# Altium PCB HV_Module_6W.PCBDOC (part 2 of 4) (continued)
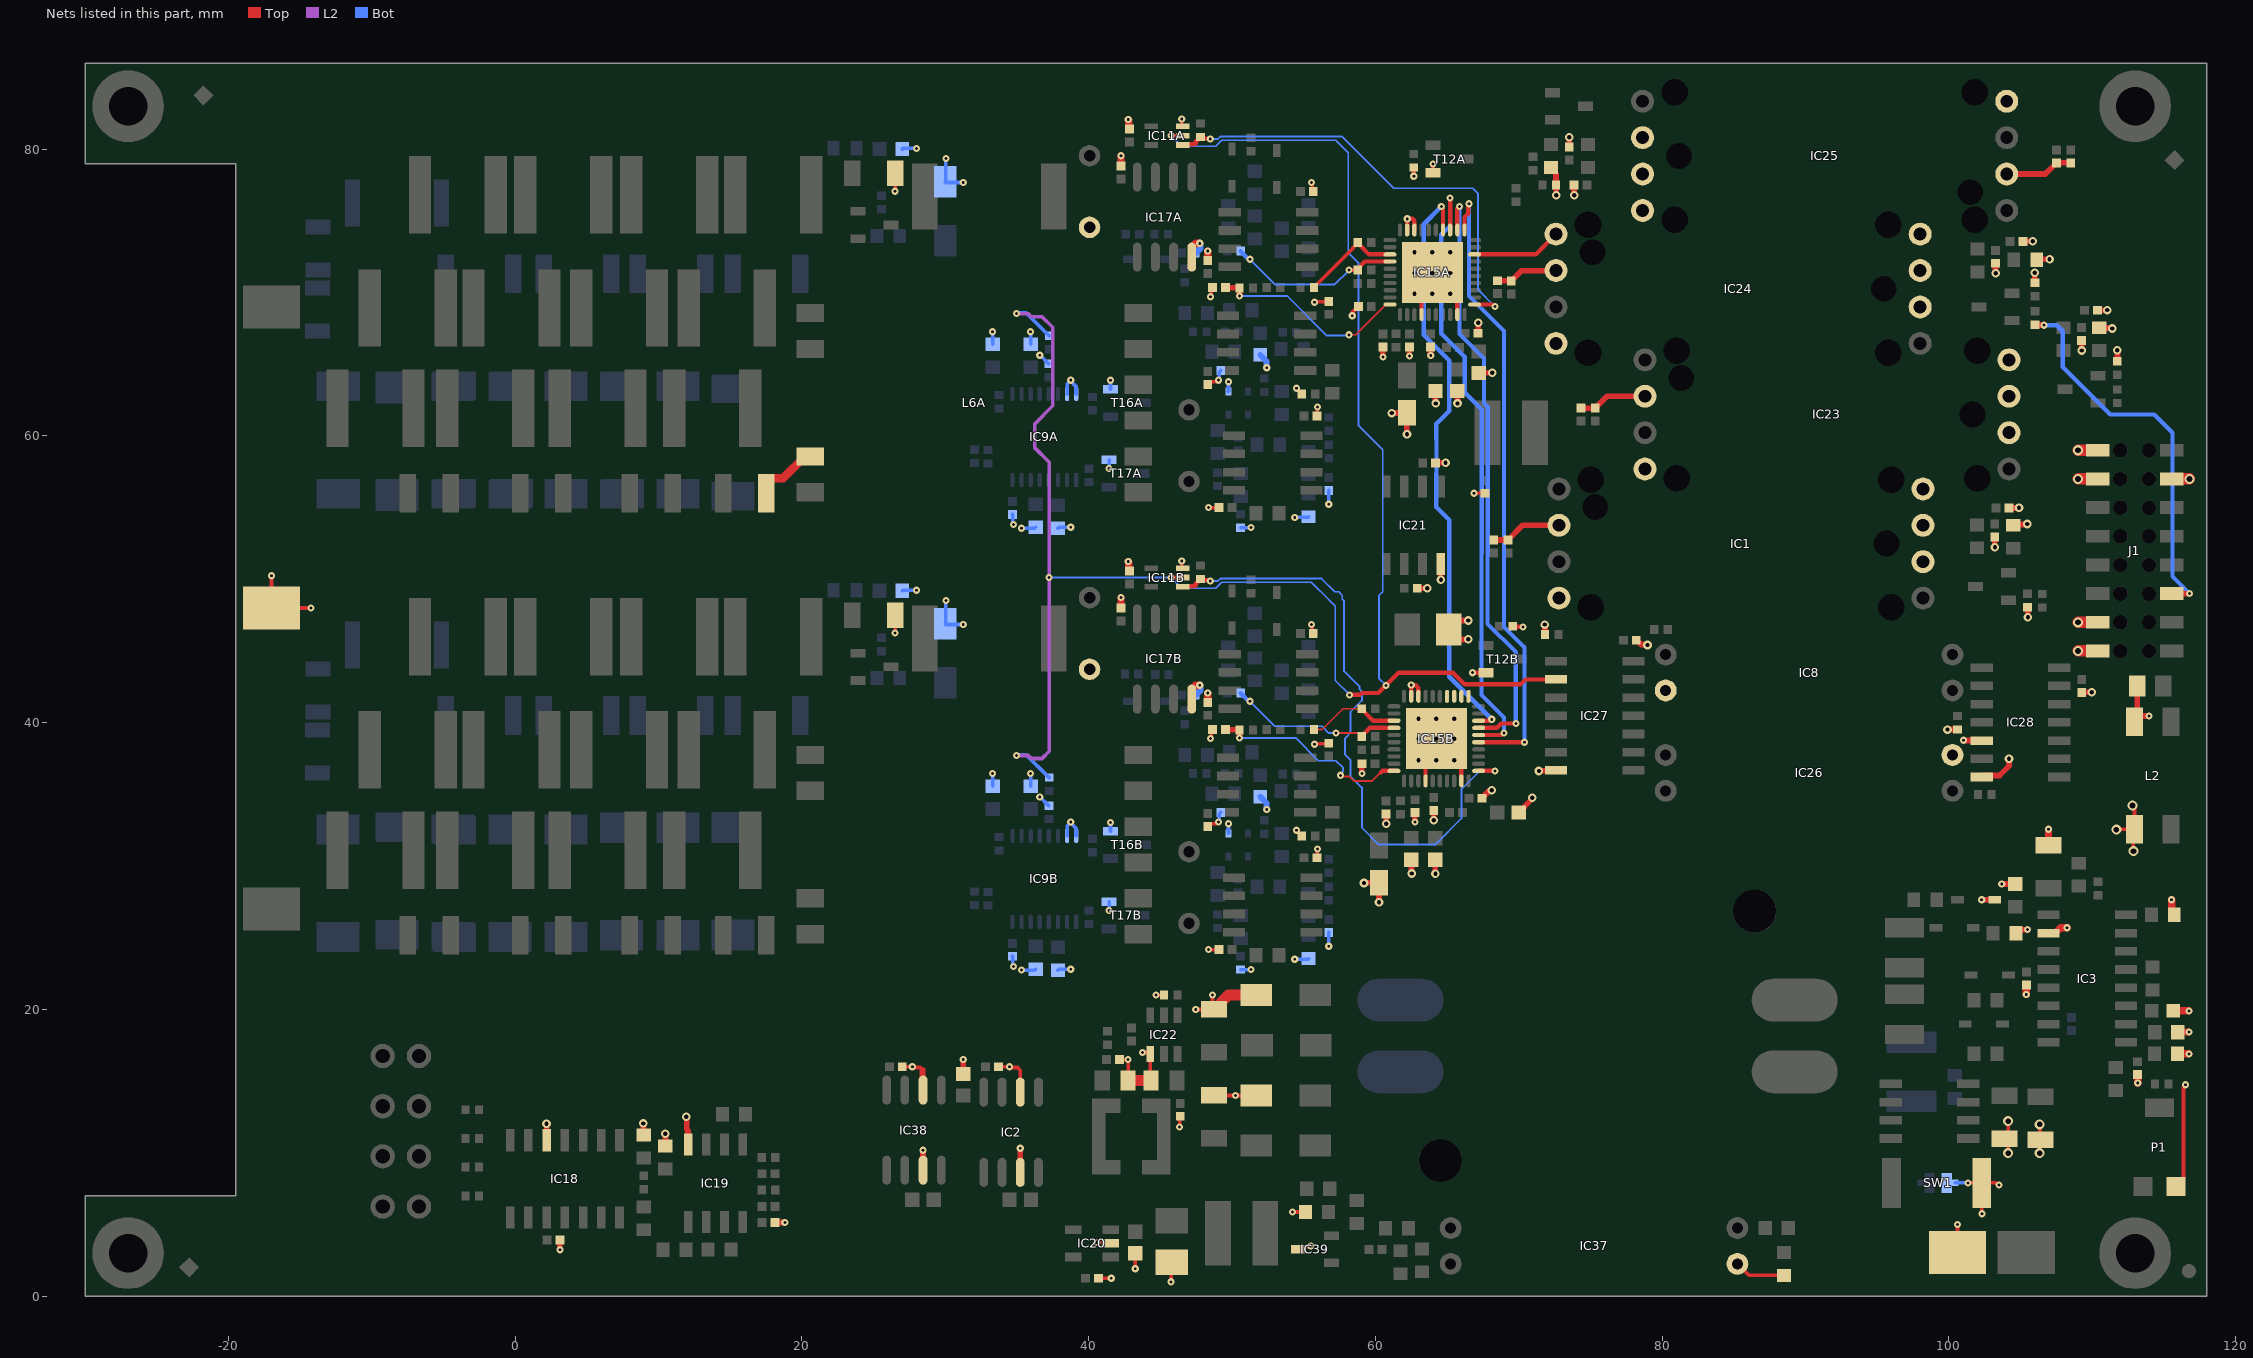
[diagram p4: the nets of this part, all layers, seen from the top]
## Part data (continued)
  R83A R83B R92A R92B: CreateDate=03.12.2007, LatestRevisionDate=17.10.2012, PressFit=No, Status="Not Recommended"
  R165A R165B: CreateDate=2007-12-03, LatestRevisionDate=2012-10-17, Status="Not recommended"
R86A R86B R88A R88B: library part R0603_13K3_0.1%_0.063W_10PPM, "Resistor - 0.1%", Case=0603, Manufacturer=GENERIC, Manufacturer1 ComponentHeight=0.5mm, Manufacturer1 Example="TYCO HOLSWORTHY", Manufacturer1 Part Number=RN73C1J13K3BTDF, Power=0.063W, Tolerance=±0.1%, Author="CERN DEM JLC", Component Type=Standard, CreateDate=03.12.2007, HelpURL=\\cern.ch\dfs\Applications\Altium\Datasheets\R0603_Tyco_RN73.pdf, LatestRevisionDate=13.03.2008, Manufacturer Part Number=R0603_13K3_0.1%_0.063W_10PPM, Mounted=Yes, Part Description="Thin Film Chip Resistor", Part Number=R0603_13K3_0.1%_0.063W_10PPM, Pin Count=2, PressFit=No, Sense=No, SMD=Yes, Socket=No, Status="Not Recommended", TC=±10ppm
R89A R89B R167A R167B R171A R171B R183A R183B: library part R0402_100R_1%_0.0625W_100PPM, "Resistor - 1%", Case=0402, Manufacturer=GENERIC, Manufacturer1 ComponentHeight=0.4mm, Manufacturer1 Example="YAGEO PHYCOMP", Manufacturer1 Part Number=232270671001L, Power=0.0625W, Tolerance=±1%, Author="CERN DEM JLC", Component Type=Standard, HelpURL=\\cern.ch\dfs\Applications\Altium\Datasheets\R0402_Phycomp_RC0402.pdf, Manufacturer Part Number=R0402_100R_1%_0.0625W_100PPM, Mounted=Yes, Part Description="General Purpose Thick Film Chip Resistor", Part Number=R0402_100R_1%_0.0625W_100PPM, Pin Count=2, Sense=No, SMD=Yes, Socket=No, TC=±100ppm/°C
  R89A R89B R183A R183B: CreateDate=03.12.2007, LatestRevisionDate=17.10.2012, PressFit=No, Status="Not Recommended"
  R167A R167B R171A R171B: CreateDate=2007-12-03, LatestRevisionDate=2012-10-17, Status="Not recommended"
R163A R163B: library part R0603_0R33_1%_0.2W_100PPM, "Resistor - 1%", Case=0603, Manufacturer=GENERIC, Manufacturer1 ComponentHeight=0.6mm, Manufacturer1 Example="VISHAY DALE", Manufacturer1 Part Number=RCWE0603R330FK, Power=0.2W, Tolerance=±1%, Author="CERN DEM BC", Component Type=Standard, CreateDate=12.10.2020, HelpURL=\\cern.ch\dfs\Applications\Altium\Datasheets\R0603_VISHAY_RCWE.pdf, LatestRevisionDate=12.10.2020, Manufacturer Part Number=R0603_0R33_1%_0.2W_100PPM, Mounted=Yes, Part Description="Thick Film Chip Resistor", Part Number=R0603_0R33_1%_0.2W_100PPM, Pin Count=2, PressFit=No, Sense=No, SMD=Yes, Socket=No, Status="Not Preferred", TC=±100ppm/°C
R168A R168B R169A R169B: library part R1206_100K_0.1%_0.4W_25PPM_VISHAY_PAT, "Resistor - 0.1%", Case=1206, Manufacturer="VISHAY DALE THIN FILM", Manufacturer Part Number=PAT1206E1003BS, Power=0.4W, Tolerance=±0.1%, Author="CERN DEM MR", Component Type=Standard, ComponentHeight=0.5mm, CreateDate=19.07.2016, HelpURL=\\cern.ch\dfs\Applications\Altium\Datasheets\R1206_VISHAY_PAT.pdf, LatestRevisionDate=19.07.2016, Mounted=Yes, Part Description="Precision Automotive Thin Film Chip Resistors 2kV ESD Rating", Part Number=R1206_100K_0.1%_0.4W_25PPM_VISHAY_PAT, Pin Count=2, PressFit=No, Sense=No, SMD=Yes, Socket=No, Status=None, TC=±25ppm/°C
R170A R170B: library part "R2512_100R_1%_1.5W_100PPM_VISHAY_CRCW-HP e3", "Resistor - 1%", Case=2512, Manufacturer="VISHAY DRALORIC", Manufacturer Part Number=CRCW2512100RFKEHHP, Power=1.5W, Tolerance=±1%, Voltage=500V, Author="CERN DEM JLC", Component Type=Standard, ComponentHeight=0.7mm, CreateDate=2013-05-21, HelpURL="\\cern.ch\dfs\Applications\Altium\Datasheets\R2512_VISHAY_CRCW-HP e3.pdf", LatestRevisionDate=2013-05-21, Mounted=Yes, Part Description="Pulse Proof, High Power Thick Film Chip Resistor", Part Number="R2512_100R_1%_1.5W_100PPM_VISHAY_CRCW-HP e3", Pin Count=2, Sense=No, SMD=Yes, Socket=No, Status=None, TC=±100ppm/°C
R187: library part R0603_1M_1%_0.1W_100PPM, "Resistor - 1%", Case=0603, Manufacturer=GENERIC, Manufacturer1 ComponentHeight=0.55mm, Manufacturer1 Example="NIC COMPONENT", Manufacturer1 Part Number=NRC06F1004TRF, Power=0.1W, Tolerance=±1%, Author="CERN DEM JLC", Component Type=Standard, CreateDate=2007-12-03, HelpURL=\\cern.ch\dfs\Applications\Altium\Datasheets\R0603_NIC_NRC.pdf, LatestRevisionDate=2008-03-13, Manufacturer Part Number=R0603_1M_1%_0.1W_100PPM, Mounted=Yes, Part Description="General Purpose Thick Film Chip Resistor", Part Number=R0603_1M_1%_0.1W_100PPM, Pin Count=2, Sense=No, SMD=Yes, Socket=No, Status=Preferred, TC=±100ppm/°C
R190: library part R0402_100K_1%_0.0625W_100PPM, "Resistor - 1%", Case=0402, Manufacturer=GENERIC, Manufacturer1 ComponentHeight=0.4mm, Manufacturer1 Example="YAGEO PHYCOMP", Manufacturer1 Part Number=232270671004L, Power=0.0625W, Tolerance=±1%, Author="CERN DEM JLC", Component Type=Standard, CreateDate=2007-12-03, HelpURL=\\cern.ch\dfs\Applications\Altium\Datasheets\R0402_Phycomp_RC0402.pdf, LatestRevisionDate=2012-10-17, Manufacturer Part Number=R0402_100K_1%_0.0625W_100PPM, Mounted=Yes, Part Description="General Purpose Thick Film Chip Resistor", Part Number=R0402_100K_1%_0.0625W_100PPM, Pin Count=2, Sense=No, SMD=Yes, Socket=No, Status="Not recommended", TC=±100ppm/°C
R195: library part R0603_9K1_1%_0.1W_100PPM, "Resistor - 1%", Case=0603, Manufacturer=GENERIC, Manufacturer1 ComponentHeight=0.55mm, Manufacturer1 Example="NIC COMPONENT", Manufacturer1 Part Number=NRC06F9101TRF, Power=0.1W, Tolerance=±1%, Author="CERN DEM JLC", Component Type=Standard, CreateDate=2007-12-03, HelpURL=\\cern.ch\dfs\Applications\Altium\Datasheets\R0603_NIC_NRC.pdf, LatestRevisionDate=2008-03-13, Manufacturer Part Number=R0603_9K1_1%_0.1W_100PPM, Mounted=Yes, Part Description="General Purpose Thick Film Chip Resistor", Part Number=R0603_9K1_1%_0.1W_100PPM, Pin Count=2, Sense=No, SMD=Yes, Socket=No, Status=Preferred, TC=±100ppm/°C
R198: library part R0603_2K4_1%_0.1W_100PPM, "Resistor - 1%", Case=0603, Manufacturer=GENERIC, Manufacturer1 ComponentHeight=0.55mm, Manufacturer1 Example="NIC COMPONENT", Manufacturer1 Part Number=NRC06F2401TRF, Power=0.1W, Tolerance=±1%, Author="CERN DEM JLC", Component Type=Standard, CreateDate=2007-12-03, HelpURL=\\cern.ch\dfs\Applications\Altium\Datasheets\R0603_NIC_NRC.pdf, LatestRevisionDate=2008-03-13, Manufacturer Part Number=R0603_2K4_1%_0.1W_100PPM, Mounted=Yes, Part Description="General Purpose Thick Film Chip Resistor", Part Number=R0603_2K4_1%_0.1W_100PPM, Pin Count=2, Sense=No, SMD=Yes, Socket=No, Status=Preferred, TC=±100ppm/°C
SW1: library part JUMPSMD0805_G50, "2 SMD Pads for Bound by Solder  Drop", Manufacturer=None, Author="CERN DEM JLC", Component Type="Standard (No BOM)", ComponentHeight=0mm, CreateDate=2009-08-26, Family=Switch, HelpURL=None, LatestRevisionDate=2009-09-09, Manufacturer Part Number=None, Mounted=No, PackageDescription="2 SMD Pads for Bound by Solder Drop - Equivalent Size 0805 - Gap 0.5mm", Part Description="2 SMD Pads for Bound by Solder Drop - Equivalent Size 0805 - Gap 0.5mm", Part Number=JUMPSMD0805_G50, Pin Count=2, PressFit=No, Sense=No, SMD=Yes, Socket=No, Status=None
T5 T6 T7 T8: "N-CHANNEL MOSFET WITH DIODE", Case=SOT23-3, Manufacturer="FAIRCHILD SEMICONDUCTOR", Author="CERN DEM JLC", Bonding=No, Component Type=Standard, ComponentHeight=1.3mm, CreateDate=20.08.2008, Device=2N7002, HelpURL=\\cern.ch\dfs\Applications\Altium\Datasheets\2N7002.pdf, LatestRevisionDate=07.04.2009, Manufacturer Part Number=2N7002, Mounted=Yes, PackageDescription="SOT23, 0.95mm Pitch; 3 Pin, 1.30mm W X 2.90mm L X 1.30mm H body, IPC Medium Density", Part Description="60V, 280mA, N-Channel Enhancement Mode Field Effect Transistor (FET)", Part Number=2N7002, Pin Count=3, PressFit=No, Sense=No, SMD=Yes, Socket=No
T12A T12B: "N-CHANNEL MOSFET WITH DIODE", Case=SOT23-3, Manufacturer="ON SEMICONDUCTOR", Author="CERN DEM JLC", Bonding=No, Component Type=Standard, ComponentHeight=1.11mm, CreateDate=23.03.2009, Device=BSS138LT1G, HelpURL=\\cern.ch\dfs\Applications\Altium\Datasheets\BSS138LT1G.pdf, LatestRevisionDate=23.03.2009, Manufacturer Part Number=BSS138LT1G, Mounted=Yes, PackageDescription="SOT23 3-Leads, Pitch 0.95mm - Body 1.4x3mm, IPC Medium Density", Part Description="50V 200mA N-Channel Enhancement Mode Field-Effect Transistor", Part Number=BSS138LT1G, Pin Count=3, PressFit=No, Sense=No, SMD=Yes, Socket=No
T15A T15B: "P-CHANNEL MOSFET WITH ZENER DIODE", Case=SOT23-3, Manufacturer="INTERNATIONAL RECTIFIER", Manufacturer Part Number=IRLML6402, Author="CERN DEM JLC", Bonding=No, Component Type=Standard, ComponentHeight=1.12mm, CreateDate=29.08.2011, Device=IRLML6402PBF, HelpURL=\\cern.ch\dfs\Applications\Altium\Datasheets\IRLML6402PBF.pdf, LatestRevisionDate=29.08.2011, Mounted=Yes, PackageDescription="SOT23, 0.95mm Pitch; 3 Pin, 1.30mm W X 2.92mm L X 1.12mm H body, IPC Medium Density", Part Description="-20V -3.7A P-Channel HEXFET® Power MOSFET", Part Number=IRLML6402PBF, Pin Count=3, PressFit=No, Sense=No, SMD=Yes, Socket=No
T16A T16B T17A T17B: "N-CHANNEL MOSFET WITH DIODE", Case=SOT23-3, Manufacturer="INTERNATIONAL RECTIFIER", Manufacturer Part Number=IRLML0060, Author="CERN DEM JLC", Bonding=No, Component Type=Standard, ComponentHeight=1.12mm, CreateDate=06.10.2011, Device=IRLML0060TRPBF, HelpURL=\\cern.ch\dfs\Applications\Altium\Datasheets\IRLML0060TRPBF.pdf, LatestRevisionDate=06.10.2011, Mounted=Yes, PackageDescription="SOT23, 0.95mm Pitch; 3 Pin, 1.30mm W X 2.92mm L X 1.12mm H body, IPC Medium Density", Part Description="60V 2.7A N-Channel HEXFET® Power MOSFET", Part Number=IRLML0060TRPBF, Pin Count=3, PressFit=No, Sense=No, SMD=Yes, Socket=No
T18: "20V DUAL N-Channel 2.5V Specified PowerTrench MOSFET", Case=SOIC8, Manufacturer="FAIRCHILD SEMICONDUCTOR", Author="CERN DEM BC", Bonding=No, Component Type=Standard, ComponentHeight=1.75mm, CreateDate=2015-09-02, Device=FDS9926A, HelpURL=\\cern.ch\dfs\Applications\Altium\Datasheets\FDS9926A.pdf, LatestRevisionDate=2015-09-02, Manufacturer Part Number=FDS9926A, Mounted=Yes, PackageDescription="SOIC 8, Pitch 1.27mm - Body 4x5mm, IPC Medium Density", Part Description="20V DUAL N-Channel 2.5V Specified PowerTrench® MOSFET", Part Number=FDS9926A, Pin Count=8, PressFit=No, Sense=No, SMD=Yes, Socket=No

## Free pads (board coordinates)
  round 3 hole 3 unplated: 2(64.54,9.466) 2(86.45,26.85)

## Via types
v1: diameter 0.5, hole 0.2, Top to Bot, tented both sides, 271 vias
v2: diameter 0.6, hole 0.3, Top to Bot, 80 vias
v3: diameter 0.5, hole 0.2, Top to Bot, 61 vias
v4: diameter 0.7, hole 0.4, Top to Bot, 27 vias

## Nets (pads, with @x,y where several pads share a name; then routed paths per layer and width w, separated by ;. In a path a pad name is that pad's centre, name@x,y a point inside that pad or via, vN(x,y) a via of type N, cw(c..) or ccw(c..) an arc to the next point about the centre after c; other vN are vias at no path point)
ADC_IA: C134A.2 IC15A.30 R94A.1 | length 14.1
  Top w0.127: v1(58.167,67.056) 58.628,67.056 60.738,69.166 IC15A.30@61.02,69.166
  Top w0.4: C134A.2@49.54,70.35 49.552,70.338 50.507,70.338 R94A.1@50.52,70.325 v1(50.52,69.762)
  Bot w0.127: v1(50.52,69.762) 53.846,69.762 56.608,67 58.111,67 v1(58.167,67.056)
ADC_IB: C134B.2 IC15B.30 R94B.1 | length 14.4
  Top w0.127: v1(57.56,36.33) 57.631,36.259 58.181,36.259 58.5,35.94 59.772,35.94 60.385,36.553
  Top w0.3: 60.385,36.553 60.405,36.553 60.492,36.64 IC15B.30@61.3,36.64
  Top w0.4: C134B.2@49.54,39.525 49.552,39.513 50.507,39.513 R94B.1@50.52,39.5 v1(50.52,38.937)
  Bot w0.127: v1(50.52,38.937) 54.435,38.937 56.023,37.349 57.25,37.349 57.746,36.853 57.746,36.617 57.56,36.431 v1(57.56,36.33)
CSN: J1.5 R99.2 | length 26.6
  Top w0.4: R99.2@106,67.75 106.011,67.739 106.629,67.739 v3(106.64,67.729) ; J1.5@116.1,49.004 116.786,49.004 v3(116.794,49.012)
  Bot w0.3: v3(106.64,67.729) 107.521,67.729 107.95,67.3 107.95,64.814 111.264,61.5 114.325,61.5 115.6,60.225 115.6,50.205 v3(116.794,49.012)
CSN_ISOL: IC15A.8 IC24.8 | length 6.3
  Top w0.3: IC15A.8@66.92,72.666 71.186,72.666 IC24.8@72.6,74.08
CSN_ISOLB: IC15A.14 IC15B.8 | length 41.6
  Top w0.3: v3(64.6,76) 64.6,75.946 64.72,75.826 IC15A.14@64.72,74.366 ; IC15B.8@67.2,40.14 67.968,40.14 68.064,40.236 v3(68.118,40.236)
  Bot w0.3: v3(64.6,76) 63.375,74.775 63.375,67.039 65.151,65.263 65.151,61.746 64.25,60.846 64.25,59.756 64.266,59.74 64.266,57.398 64.25,57.382 64.25,55.04 65.151,54.139 65.151,43.204 v3(68.118,40.236)
DAC_IA: IC15A.23 R27A.2 R93A.2 | length 7
  Top w0.254: R93A.2@55.715,70.35 55.715,70.37 58.437,73.092 58.437,73.137 58.78,73.48 R27A.2@58.78,73.5
  Top w0.3: R27A.2@58.78,73.5 58.92,73.36 58.92,73.308 59.562,72.666 IC15A.23@61.02,72.666
DAC_IB: IC15B.23 R27B.2 R93B.2 | length 6.6
  Top w0.127: R93B.2@55.715,39.525 56.294,39.525 57.743,40.974 R27B.2@59.06,40.974
  Top w0.3: R27B.2@59.06,40.974 59.2,40.834 59.2,40.782 59.842,40.14 IC15B.23@61.3,40.14
DAC_UA: IC15A.24 R25A.2 R78A.2 | length 11.9
  Top w0.3: v1(58.167,71.571) R25A.2@58.677,71.571 ; R25A.2@58.835,71.666 58.86,71.666 58.92,71.726 58.92,71.826 59.26,72.166 IC15A.24@61.02,72.166
  Bot w0.127: v1(51.243,72.325) 52.993,70.575 57.171,70.575 v1(58.167,71.571)
  Bot w0.3: R78A.2@50.605,72.895 50.605,72.875 51.117,72.363 51.205,72.363 v1(51.243,72.325)
DAC_UB: IC15B.24 R25B.2 R78B.2 | length 12.2
  Top w0.127: v1(57.25,39.279) 58.834,39.279 59.06,39.053 R25B.2@59.06,39.04
  Top w0.3: R25B.2@59.06,39.065 59.065,39.065 59.2,39.2 59.2,39.225 59.433,39.458 59.433,39.465 59.608,39.64 IC15B.24@61.3,39.64
  Bot w0.127: v1(51.243,41.5) 52.993,39.75 56.279,39.75 56.75,39.279 v1(57.25,39.279)
  Bot w0.3: R78B.2@50.605,42.07 50.605,42.05 51.117,41.538 51.205,41.538 v1(51.243,41.5)
ENBLA: IC11A.2 IC11B.2 IC27.2 R172A.2 R172B.2 | length 138.5
  Top w0.254: v1(45.75,50.125) IC11B.2@46.555,50.125 ; v1(45.75,80.95) IC11A.2@46.555,80.95
  Top w0.3: v1(58.204,41.942) 58.921,41.942 59.054,42.075 60.198,42.075 61.613,43.49 65.42,43.49 66.234,42.676 70.123,42.676 70.467,43.02 IC27.2@72.6,43.02
  L2 w0.254: v1(34.974,37.711) 35.789,37.711 36.001,37.5 36.75,37.5 37.25,38 37.25,58.164 36.25,59.164 36.25,60.861 37.5,62.111 37.5,67.575 36.75,68.325 36.001,68.325 35.789,68.536 v1(34.974,68.536)
  Bot w0.127: v1(37.23,50.125) v1(45.75,50.125) 46.491,49.384 48.869,49.384 49.287,49.802 55.533,49.802 56.81,48.526 56.81,48.508 57.068,48.249 57.086,48.249 57.203,48.133 57.203,42.943 v1(58.204,41.942) ; v1(45.75,80.95) 46.491,80.209 48.869,80.209 49.287,80.627 57.234,80.627 58.111,79.75 58.111,72.781 58.829,72.063 58.829,70.117 58.82,70.107 58.82,68.581 58.829,68.572 58.829,64.665 58.82,64.656 58.82,60.748 60.52,59.048 60.52,49.142 60.25,48.872 60.25,43.092 v1(60.74,42.602)
  Bot w0.254: v1(34.974,37.711) 35.012,37.75 35.655,37.75 37.23,36.175 R172B.2@37.25,36.175 ; v1(34.974,68.536) 35.012,68.575 35.655,68.575 37.23,67 R172A.2@37.25,67
ENBLn1: IC11A.1 IC15A.1 R175A.1 | length 32.3
  Top w0.3: IC11A.1@46.555,80.3 46.605,80.35 47.399,80.35 47.474,80.426 47.474,80.518 47.651,80.695 R175A.1@47.651,80.715 ; R175A.1@47.811,80.855 47.913,80.753 48.443,80.753 v1(48.481,80.715) ; IC15A.1@66.92,69.166 68.15,69.166 68.288,69.028 v1(68.342,69.028) v1@68.329,69.015
  Bot w0.127: v1(48.481,80.715) 49.015,80.715 49.182,80.881 57.686,80.881 61.292,77.275 66.8,77.275 67.167,76.908 67.167,70.202 v1(68.342,69.028)
ENBLn2: IC11B.1 IC15B.1 R175B.1 | length 43.9
  Top w0.3: IC11B.1@46.555,49.475 46.605,49.525 47.399,49.525 47.474,49.601 47.474,49.693 47.651,49.87 R175B.1@47.651,49.89 ; R175B.1@47.811,50.03 47.913,49.928 48.443,49.928 v1(48.481,49.89) ; IC15B.1@67.2,36.64 68.335,36.64 v1(68.342,36.632) v1@68.396,36.632
  Bot w0.127: v1(48.481,49.89) 49.015,49.89 49.182,50.056 56.243,50.056 57.169,49.13 57.432,49.13 57.69,48.872 57.69,48.609 57.814,48.486 57.814,43.595 58.899,42.51 58.899,42.332 59.058,42.172 59.058,41.55 58.254,40.746 58.254,39.283 57.884,38.913 57.884,37.779 58.254,37.409 58.254,36.275 59.058,35.472 59.058,32.692 60.25,31.5 64.18,31.5 66.008,33.328 66.008,35.372 67.268,36.632 v1(68.342,36.632)
EXT_CSN_ISOLB: IC15B.14
EXT_SCKI_ISOLA: IC15A.13 IC15B.6 | length 43.5
  Top w0.3: v3(65.2,76.6) 65.22,76.58 IC15A.13@65.22,74.366 ; IC15B.6@67.2,39.14 68.78,39.14 68.919,39.279 v3(68.973,39.279)
  Bot w0.3: v3(65.2,76.6) 65.2,74.65 64.6,74.05 64.6,67.141 66.231,65.509 66.231,63.023 67.413,61.841 67.413,51.832 67.4,51.818 67.4,41.942 68.973,40.369 v3(68.973,39.279)
EXT_SCKI_ISOLB: IC15B.13
EXT_SDI_ISOLA: IC15A.12 IC15B.7 | length 42.1
  Top w0.3: IC15A.12@65.72,74.366 65.72,75.85 v3(65.87,76) ; IC15B.7@67.2,39.64 68.468,39.64 68.778,39.95 v3(69.8,39.95)
  Bot w0.3: v3(65.87,76) 65.87,67.108 67.573,65.405 67.573,62.285 67.84,62.017 67.84,51.655 67.827,51.641 67.827,46.896 69.8,44.923 v3(69.8,39.95)
EXT_SDI_ISOLB: IC15B.12
EXT_SDO_ISOLA: IC15A.11 IC15B.5 | length 44.3
  Top w0.3: IC15A.11@66.22,74.366 66.22,75.266 66.487,75.533 66.487,76.162 v3(66.525,76.2) ; IC15B.5@67.2,38.64 v3(70.4,38.64)
  Bot w0.3: v3(66.525,76.2) 66.525,69.766 68.973,67.318 68.973,46.68 70.4,45.253 v3@70.4,38.687
EXT_SDO_ISOLB: IC15B.11
GND: C1.1 C4.1 C6.1 C9.1 C49.2 C58.1 C60.1 C61.1 C63.2 C64.1 IC1.2 IC1.3 IC1.4 IC23.2 IC23.3 IC23.4 IC24.2 IC24.3 IC24.4 IC25.5 IC25.7 IC26.2 IC28.5 IC28.7 J1.2 J1.4 J1.13 J1.14 J1.16 L2.2 R3.1 R4.1 R24.1 R96.1 R97.1 R100.1 R101.1 | length 29.3
  Top w0.4: v2(99.906,39.522) 99.914,39.53 R24.1@100.6,39.53 ; v3(101.027,38.775) 101.037,38.765 102.29,38.765 IC28.5@102.3,38.755 ; IC28.7@102.3,36.215 102.4,36.315 103.54,36.315 104.2,36.975 v2(104.2,37.485) ; C1.1@103.2,52.95 103.208,52.942 103.208,52.256 v2(103.215,52.249) ; C61.1@103.25,72.05 103.258,72.042 103.258,71.356 v2(103.265,71.349) ; IC25.7@104.04,78.27 106.72,78.27 C63.2@107.5,79.05 C9.1@108.5,79.05 ; C60.1@104.2,54.982 104.886,54.982 v2(104.894,54.99) ; R4.1@104.675,53.858 104.714,53.819 105.442,53.819 v2(105.48,53.858) ; C58.1@105.164,73.576 105.85,73.576 v2(105.857,73.584) ; R3.1@105.5,48.05 105.508,48.042 105.508,47.356 v2(105.515,47.349) ; v2(105.985,71.391) 105.992,71.384 105.992,70.698 R100.1@106,70.69 ; R101.1@106.333,72.318 107.019,72.318 v2(107.026,72.326) ; C6.1@109.255,66.664 109.262,66.657 109.262,65.97 v2(109.27,65.963) ; C49.2@109.27,42.115 109.277,42.123 109.964,42.123 v2(109.971,42.13) ; C64.1@110.356,68.774 111.042,68.774 v2(111.05,68.782) ; R97.1@110.536,67.729 110.739,67.525 111.375,67.525 v2(111.4,67.5) ; v2(111.75,65.972) 111.757,65.964 111.757,65.278 R96.1@111.765,65.27 ; L2.2@112.955,40.065 112.955,40.07 L2.2@113.15,40.265 ; C4.1@113.15,42.565 L2.2@113.15,40.265 ; v1(113.964,40.47) 113.355,40.47 L2.2@113.15,40.265
  Top w0.8: v4(109.011,45.004) J1.2@110.389,45.004 ; v4(109.011,47.004) J1.4@110.389,47.004 ; v4(109.011,57.004) J1.14@110.389,57.004 ; v4(109.011,59.004) J1.16@110.389,59.004 ; J1.13@115.539,57.004 v4(116.786,57.004)
GNDc: C26.1 C27.2 C28.2 C30.2 C31.2 C37.2 C38.2 C41.1 D38.2 IC3.10 IC37.3 J12.1 L2.3 P1.1 R29.1 R33.1 R187.2 R193.1 R194.1 SW1.1 | length 37.7
  Top w0.254: IC37.3@85.25,2.25 85.266,2.25 86.066,1.45 R33.1@88.5,1.45 ; J12.1@100.604,3.05 v1(100.604,5) ; v1(101.336,7.9) R29.1@102.304,7.9 ; v1(102.304,5.75) R29.1@102.304,7.9 ; v1(103.5,7.75) 103.433,7.75 103.283,7.9 R29.1@102.304,7.9 ; v4@104.154,10 104.154,10.72 C31.2@103.879,10.995 104.154,11.27 v4@104.154,12.237 ; v4(106.339,9.97) 106.339,10.835 C30.2@106.404,10.9 106.357,10.948 v4@106.357,12.017 ; v4@111.704,32.565 L2.3@112.955,32.565 ; v4@112.829,34.25 112.829,34.183 112.955,34.058 L2.3@112.955,32.565 ; v4(112.875,31.036) 112.875,32.485 L2.3@112.955,32.565 ; P1.1@115.844,7.65 116.367,8.173 116.367,14.551 116.5,14.683 v1(116.5,14.75)
  Top w0.4: v1(102.29,27.65) D38.2@103.204,27.65 ; v1(103.687,28.75) C41.1@104.629,28.75 ; R194.1@104.679,25.325 104.912,25.558 105.461,25.558 v1(105.48,25.577)
  Top w0.508: v1(105.404,21.05) C38.2@105.404,21.7 ; IC3.10@106.954,25.325 107.429,25.325 107.804,25.7 v1(108.25,25.7) ; C37.2@106.954,31.45 v1(106.954,32.565) ; C26.1@113.154,15.45 113.173,15.431 v1(113.173,14.858) ; v1(115.539,27.65) 115.539,26.78 R193.1@115.724,26.595 ; C27.2@115.654,19.9 v1(116.75,19.9) ; R187.2@115.954,16.9 v1(116.75,16.9) ; C28.2@115.954,18.4 115.979,18.425 v1(116.75,18.425)
  Bot w0.254: SW1.1@100.442,7.9 v1(101.336,7.9)
  other v4: 104.137,9.97 106.339,11.986 104.137,12.207 111.687,32.535 112.812,34.22
GNDp: C2.2 C3.2 C5A.1 C5B.1 C7.2 C8.1 C10.1 C11A.1 C11B.1 C12A.1 C12B.1 C14A.2 C14B.2 C15A.1 C15B.1 C16A.1 C16B.1 C17A.1 C17B.1 C18A.1 C18B.1 C19A.1 C19B.1 C20A.1 C20B.1 C21A.1 C21B.1 C22A.1 C22B.1 C24A.1 C24B.1 C25.1 C32.1 C34.2 C35.2 C42.1 C45.1 C47.1 C50.2 C51.1 C52.1 C53.2 C54.1 C55.1 C57.1 C59.1 C62.1 C65.1 C66.1 C67.1 C68.2 C69A.1 C69B.1 C70A.2 C70B.2 C71A.1 C71B.1 C72A.1 C72B.1 C74A.2 C74B.2 C75A.2 C75B.2 C112A.1 C112B.1 C113A.1 C113B.1 C124A.1 C124B.1 C125A.1 C125B.1 C128A.1 C128B.1 C129A.1 C129B.1 C132A.1 C132B.1 C133A.1 C133B.1 C134A.1 C134B.1 C135.2 C136.2 D8.2 D18A.1 D18B.1 D31A.2 D31B.2 D37.2 IC1.5 IC1.7 IC2.3 IC2.6 IC8.2 IC9A.15 IC9A.16 IC9B.15 IC9B.16 IC11A.3 IC11B.3 IC15A.18 IC15A.19 IC15A.34 IC15A.39 IC15A.41 IC15B.18 IC15B.19 IC15B.34 IC15B.39 IC15B.41 IC17A.4 IC17B.4 IC18.12 IC19.4 IC20.2 IC21.4 IC22.1 IC23.5 IC23.7 IC24.5 IC24.7 IC25.2 IC25.3 IC25.4 IC27.7 IC38.3 IC38.6 IC39.3 J3.1 R8.1 R21.1 R58A.1 R58B.1 R59.1 R60A.2 R60B.2 R64A.1 R64B.1 R68.1 R92A.1 R92B.1 R104.1 R105.1 R173A.2 R173B.2 R180A.2 R180B.2 R184A.1 R184B.1 R198.1 T12A.2 T12B.2 T16A.2 T16B.2 T17A.2 T17B.2 | length 162.6
  Top w0.254: v1(-17,50.25) J3.1@-17,48 v1(-14.25,48) ; v1(26.5,46.25) C70B.2@26.5,47.5 ; v1(26.5,77.075) C70A.2@26.5,78.325 ; C68.2@27,16 v1(27.7,16) 27.747,15.953 28.253,15.953 28.41,15.796 ; C136.2@33.7,16 v1(34.48,16) 34.527,15.953 35.033,15.953 35.23,15.755 IC2.6@35.23,14.227 ; v1(40.569,3.75) 40.604,3.715 41.49,3.715 IC20.2@41.525,3.68 ; C66.1@40.675,1.25 v1(41.575,1.25) ; C42.1@42.15,16.5 v1(42.75,16.5) C45.1@42.75,15.05 ; v1(43.25,1.914) C47.1@43.25,3 ; v1(43.75,17) 44.2,17 IC22.1@44.3,16.9 44.3,15.1 C32.1@44.35,15.05 ; v1(44.702,21) R8.1@45.255,21 ; v1(45.75,1) 45.75,2.323 C135.2@45.793,2.366 ; v1(46.329,11.808) 46.357,11.836 46.357,12.522 C25.1@46.385,12.55 ; v1(46.495,51.279) 46.495,50.835 IC11B.3@46.555,50.775 ; v1(46.495,82.104) 46.495,81.66 IC11A.3@46.555,81.6 ; v1(47.474,20) C34.2@48.75,20 48.64,20.11 v1(48.64,21) ; C20B.1@48.311,32.765 48.494,32.948 48.869,32.948 48.989,33.068 v1(49.055,33.068) ; C20A.1@48.311,63.59 48.494,63.773 48.869,63.773 48.989,63.893 v1(49.055,63.893) ; v1(48.367,24.175) C22B.1@49.09,24.175 ; v1(48.367,55) C22A.1@49.09,55 ; v1(48.5,38.89) 48.547,38.937 48.547,39.432 C134B.1@48.64,39.525 ; v1(48.5,69.715) 48.547,69.762 48.547,70.257 C134A.1@48.64,70.35 ; C35.2@48.75,14 v1(50.25,14) D8.2@51.7,14 ; v1(54.21,5.874) R198.1@55.119,5.874 ; v1(54.5,32.5) 54.5,32.495 54.87,32.125 R92B.1@54.87,32.105 ; v1(54.5,63.325) 54.5,63.32 54.87,62.95 R92A.1@54.87,62.93 ; IC39.3@54.625,3.268 54.798,3.441 55.379,3.441 55.428,3.49 v1(55.495,3.49) ; v1(55.555,46.851) 55.602,46.804 55.602,46.288 C129B.1@55.665,46.225 ; v1(55.555,77.676) 55.602,77.629 55.602,77.113 C129A.1@55.665,77.05 ; v1(55.75,38.5) 55.782,38.532 56.717,38.532 C133B.1@56.75,38.565 ; v1(55.75,69.325) 55.782,69.357 56.717,69.357 C133A.1@56.75,69.39 ; C16B.1@55.915,30.58 55.933,30.598 55.933,31.175 v1(55.951,31.193) ; C16A.1@55.915,61.405 55.933,61.423 55.933,62 v1(55.951,62.018) ; v1(66.886,56.005) C57.1@67.648,56.005
  Top w0.3: v1(58.388,68.39) 58.426,68.428 58.426,68.644 58.832,69.05 C5A.1@58.832,69.171 ; IC15A.19@62.22,74.366 62.22,75.143 v1(62.224,75.147) 62.587,75.147 62.72,75.014 IC15A.18@62.72,74.366 ; IC15B.19@62.5,41.84 62.5,42.617 v1(62.504,42.621) 62.508,42.617 62.81,42.617 63,42.428 IC15B.18@63,41.84 ; R64A.1@62.68,78.729 R64A.1@62.68,78.729 62.681,78.119 v3(62.682,78.118) ; C11B.1@62.75,33.73 C11B.1@62.754,33.726 ; v3@62.754,33.115 v3@62.758,33.111 ; IC15A.34@63.22,68.466 63.22,70.666 IC15A.41@63.97,71.416 65.72,69.666 IC15A.39@65.72,68.466 ; IC15B.34@63.5,35.94 63.5,38.14 v2(64.25,38.89) 66,37.14 IC15B.39@66,35.94 ; T12A.2@64.02,78.37 v3@64.02,78.979 ; v3@66.685,43.49 T12B.2@67.723,43.49 ; R64B.1@69.588,46.725 69.61,46.703 70.274,46.703 v3(70.296,46.681)
  Top w0.4: v2(2.186,12.018) 2.193,12.011 IC18.12@2.193,11.325 ; C51.1@3.113,3.93 3.113,3.244 v3(3.121,3.236) ; v2(8.938,12.048) 8.946,12.041 R59.1@8.946,11.355 ; v2(10.473,11.332) 10.48,11.325 R68.1@10.48,10.638 ; v2(11.923,12.518) 11.961,12.48 11.961,11.626 12.058,11.529 12.058,11.36 ; C52.1@18.113,5.13 18.799,5.13 v3(18.807,5.138) ; 28.41,15.796 28.41,14.414 IC38.6@28.45,14.374 ; IC38.3@28.45,8.786 v1(28.45,10.175) ; C67.1@31.25,15.5 v1(31.25,16.5) ; IC2.3@35.23,8.639 v1(35.23,10.319) ; C5B.1@59.05,37.14 59.05,36.454 v3(59.058,36.446) ; v2(59.203,28.823) 59.211,28.83 60.173,28.83 C14B.2@60.181,28.838 ; C14B.2@60.237,28.456 60.245,28.448 60.245,27.485 v2(60.252,27.478) ; v3(60.52,65.501) C12A.1@60.52,66.211 ; C12B.1@60.75,33.63 60.758,33.622 60.758,32.964 v2(60.765,32.957) ; v2(61.143,61.599) 61.151,61.606 62.114,61.606 C14A.2@62.121,61.614 ; C14A.2@62.187,61.106 62.195,61.098 62.195,60.136 v2(62.203,60.128) ; C11A.1@62.369,66.272 62.369,65.586 v3(62.377,65.578) ; C17B.1@62.521,30.114 62.521,29.428 v2@62.529,29.421 ; v3@62.754,33.115 C11B.1@62.754,33.726 ; C54.1@62.917,49.377 63.603,49.377 v2(63.611,49.384) ; C18A.1@63.851,66.279 63.851,65.593 v3@63.859,65.586 ; C18B.1@64.069,33.88 64.069,33.194 v2(64.076,33.186) ; C15B.1@64.172,30.451 C15B.1@64.18,30.443 64.18,29.481 v2(64.187,29.473) ; C17A.1@64.187,63.424 C17A.1@64.195,63.416 ; C17A.1@64.195,63.241 64.195,62.278 v2(64.203,62.271) ; C55.1@64.202,58.127 64.888,58.127 v2(64.896,58.134) ; IC21.4@64.565,50.664 64.565,49.978 v2(64.573,49.97) ; C15A.1@65.712,63.424 C15A.1@65.72,63.416 ; C15A.1@65.72,63.241 65.72,62.278 v2(65.728,62.271) ; C53.2@65.79,47.123 66.476,47.123 v2(66.484,47.131) ; C53.2@65.845,45.811 66.531,45.811 v2@66.539,45.818 ; v2(67.167,67.894) 67.175,67.886 C24A.1@67.175,67.2 ; C19A.1@67.22,64.39 67.233,64.403 68.137,64.403 v2(68.15,64.416) ; C24B.1@67.425,34.732 67.947,35.255 68.08,35.255 v2(68.118,35.293) ; C59.1@68.254,52.75 C2.2@69.25,52.75 70.27,53.77 IC1.7@72.8,53.77 ; C8.1@68.531,70.825 68.536,70.82 69.47,70.82 C7.2@69.475,70.816 70.182,71.523 72.583,71.523 IC24.7@72.6,71.54 ; C19B.1@70,33.74 70.897,34.636 70.897,34.719 v2(70.935,34.757) ; v2(71.406,36.632) 71.414,36.64 IC27.7@72.1,36.64 ; v2(71.822,46.844) 71.83,46.836 R21.1@71.83,46.15 ; R105.1@72.25,78.74 72.3,78.74 72.55,78.49 72.55,78.306 72.6,78.256 R104.1@72.6,77.5 72.608,77.492 72.608,76.806 v2(72.615,76.799) ; v2(73.517,80.844) 73.525,80.836 C65.1@73.525,80.15 ; C62.1@73.85,77.5 73.858,77.492 73.858,76.806 v2(73.865,76.799) ; C10.1@74.351,61.931 74.36,61.941 75.331,61.941 C3.2@75.34,61.95 76.16,62.77 IC23.7@78.8,62.77 ; C50.2@78.2,45.75 78.31,45.64 78.363,45.64 78.544,45.459 78.941,45.459 v2(78.979,45.421)
  Top w0.508: C124B.1@42.25,47.995 v1(42.25,48.725) ; C124A.1@42.25,78.82 v1(42.25,79.55) ; v1(42.758,51.242) 42.799,51.201 42.799,50.631 C125B.1@42.855,50.575 ; v1(42.758,82.067) 42.799,82.026 42.799,81.456 C125A.1@42.855,81.4 ; IC17B.4@47.195,41.65 47.195,42.334 47.474,42.613 v1(47.75,42.613) ; IC17A.4@47.195,72.475 47.195,73.159 47.474,73.438 v1(47.75,73.438) ; C21B.1@48.311,41.42 v1(48.311,42.075) ; C21A.1@48.311,72.245 v1(48.311,72.9)
  Top w0.762: C45.1@42.75,15.05 C32.1@44.35,15.05 ; C34.2@48.75,20 49.075,20 49.269,20.194 49.269,20.519 49.75,21 D37.2@51.7,21
  Bot w0.254: C71B.1@27.011,49.195 27.055,49.239 v1(28,49.239) ; C71A.1@27.011,80.02 27.055,80.064 v1(28,80.064) ; v1(30.044,48.525) 30.044,46.939 D31B.2@30,46.895 30.044,46.851 v1(31.25,46.851) ; v1(30.044,79.35) 30.044,77.764 D31A.2@30,77.72 30.044,77.676 v1(31.25,77.676) ; C112B.1@33.3,35.58 v1(33.3,36.446) ; C112A.1@33.3,66.405 v1(33.3,67.271) ; C74B.2@34.685,23.71 34.718,23.678 34.718,23.032 v1(34.75,23) ; C74A.2@34.685,54.535 34.718,54.503 34.718,53.857 v1(34.75,53.825) ; v1(35.32,22.74) 36.235,22.74 C113B.1@36.3,22.805 ; v1(35.32,53.565) 36.235,53.565 C113A.1@36.3,53.63 ; C75B.2@35.955,35.58 v1(35.955,36.446) ; C75A.2@35.955,66.405 v1(35.955,67.271) ; v1(36.589,34.807) 36.616,34.807 37.205,34.218 R173B.2@37.225,34.218 ; v1(36.589,65.632) 36.616,65.632 37.205,65.043 R173A.2@37.225,65.043 ; C72B.1@37.86,22.74 37.925,22.805 v1(38.75,22.805) ; C72A.1@37.86,53.565 37.925,53.63 v1(38.75,53.63) ; IC9B.15@38.495,32.105 38.504,32.114 38.504,32.822 v1(38.75,33.068) 38.75,33.001 39.121,32.63 39.121,32.114 IC9B.16@39.13,32.105 ; IC9A.15@38.495,62.93 38.504,62.939 38.504,63.647 v1(38.75,63.893) 38.75,63.826 39.121,63.455 39.121,62.939 IC9A.16@39.13,62.93 ; v3(41.427,26.9) T17B.2@41.427,27.508 ; v3(41.427,57.725) T17A.2@41.427,58.333 ; T16B.2@41.525,32.43 v3(41.525,33.048) ; T16A.2@41.525,63.255 v3(41.525,63.888) ; v1(49.055,33.068) 49.102,33.115 49.102,33.628 R184B.1@49.223,33.748 ; v1(49.055,63.893) 49.102,63.94 49.102,64.453 R184A.1@49.223,64.573 ; D18B.1@49.74,32.28 49.752,32.293 49.752,32.944 v1(49.765,32.957) ; D18A.1@49.74,63.105 49.752,63.118 49.752,63.769 v1(49.765,63.782) ; R58B.1@50.605,22.78 v1(51.325,22.78) ; R58A.1@50.605,53.605 v1(51.325,53.605) ; v1(54.376,23.5) 55.3,23.5 R60B.2@55.34,23.54 ; v1(54.376,54.325) 55.3,54.325 R60A.2@55.34,54.365 ; v1(56.75,24.411) C128B.1@56.75,25.371 ; v1(56.75,55.236) C128A.1@56.75,56.196
  Bot w0.4: C132B.1@51.968,34.83 52.406,34.392 52.406,33.957 v1(52.425,33.938) ; C132A.1@51.968,65.655 52.406,65.217 52.406,64.782 v1(52.425,64.763)
  Bot w0.508: R180B.2@47.44,41.942 47.44,41.962 47.75,42.272 v1(47.75,42.613) ; R180A.2@47.44,72.767 47.44,72.787 47.75,73.097 v1(47.75,73.438)
  other v2: 62.529,29.481 63.008,37.39 64.25,37.39 65.492,37.39 63.008,38.89 65.5,38.89 63.008,40.284 64.25,40.284 65.5,40.284 66.484,45.818 62.728,69.916 63.97,69.916 65.212,69.916 62.728,71.363 63.97,71.363 65.22,71.363 62.728,72.81 63.97,72.81 65.22,72.81
  other v3: 62.758,33.075 66.785,43.49 63.859,65.611 64.019,78.98
HV_ACA: C73A.1 L6A.9 | length 4.5
  Top w0.6: C73A.1@17.5,56 17.5,56.775 17.775,57.05 18.68,57.05 20.205,58.575 L6A.9@20.525,58.575